# Altium PCB 4G.PcbDoc
Units mil, origin at the board's own origin, x right, y up, seen from the top; angles counter-clockwise.
Board outline 3582.68 x 1299.21 mil, 2 copper layers (Top Layer, Bottom Layer); 41 components, 27 nets, 169 pads, 175 vias.
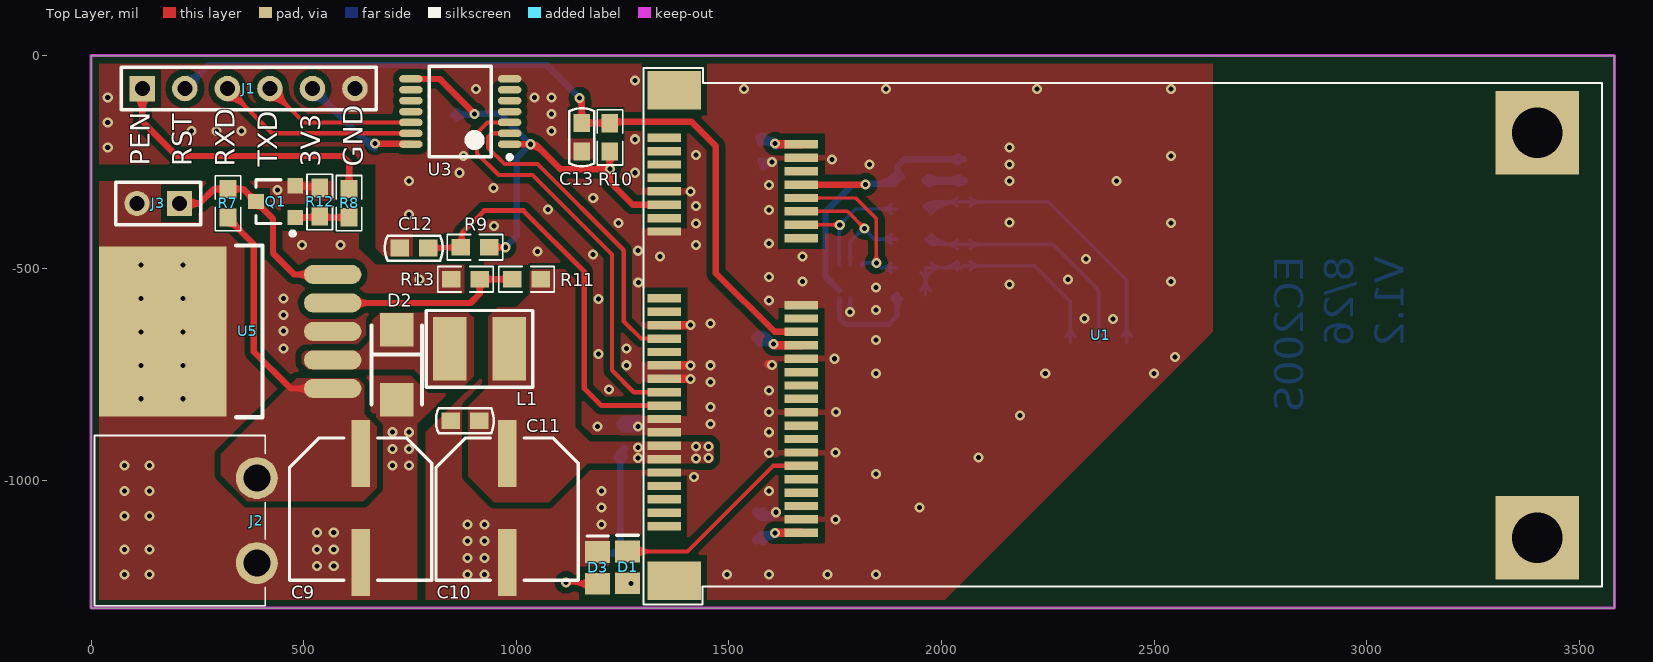
[diagram p0: Top Layer view]
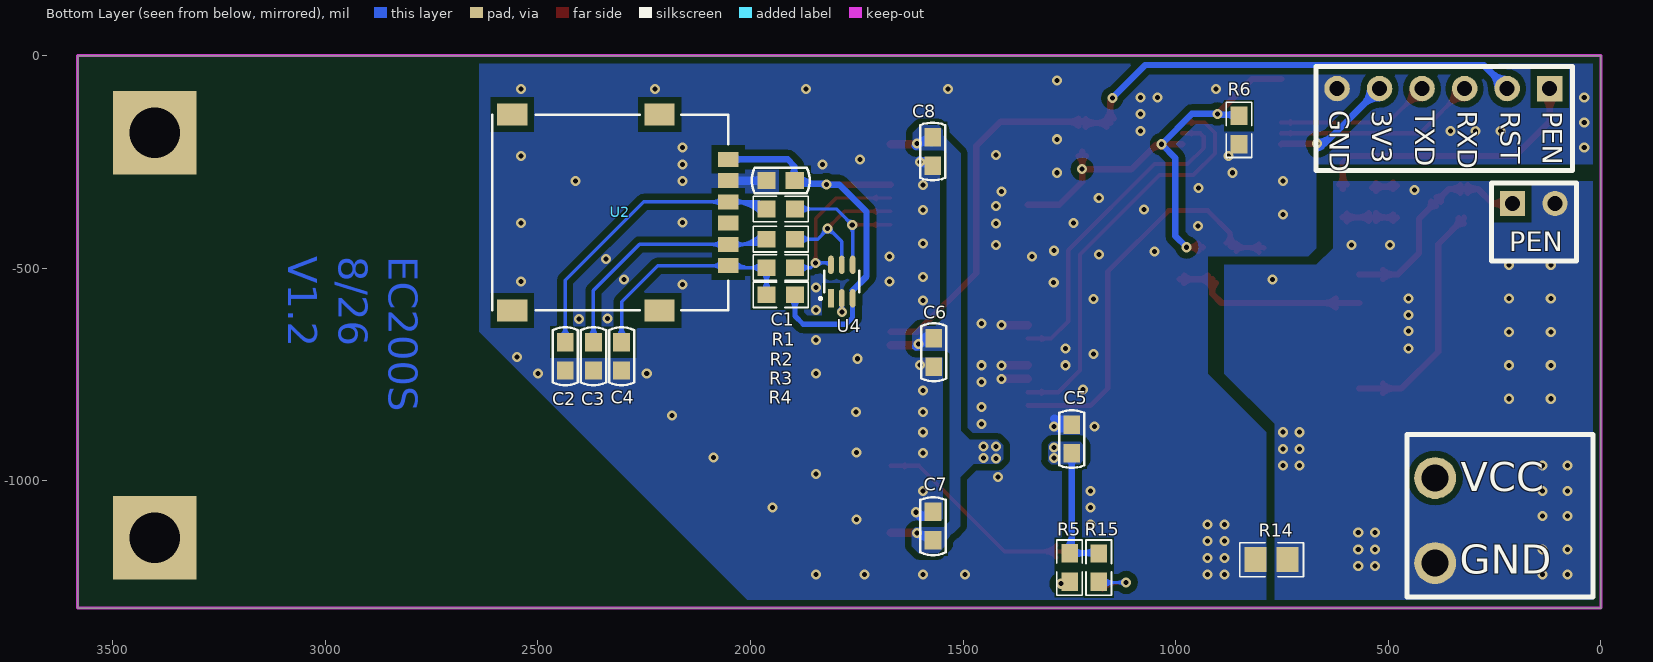
[diagram p1: Bottom Layer view, seen from below]
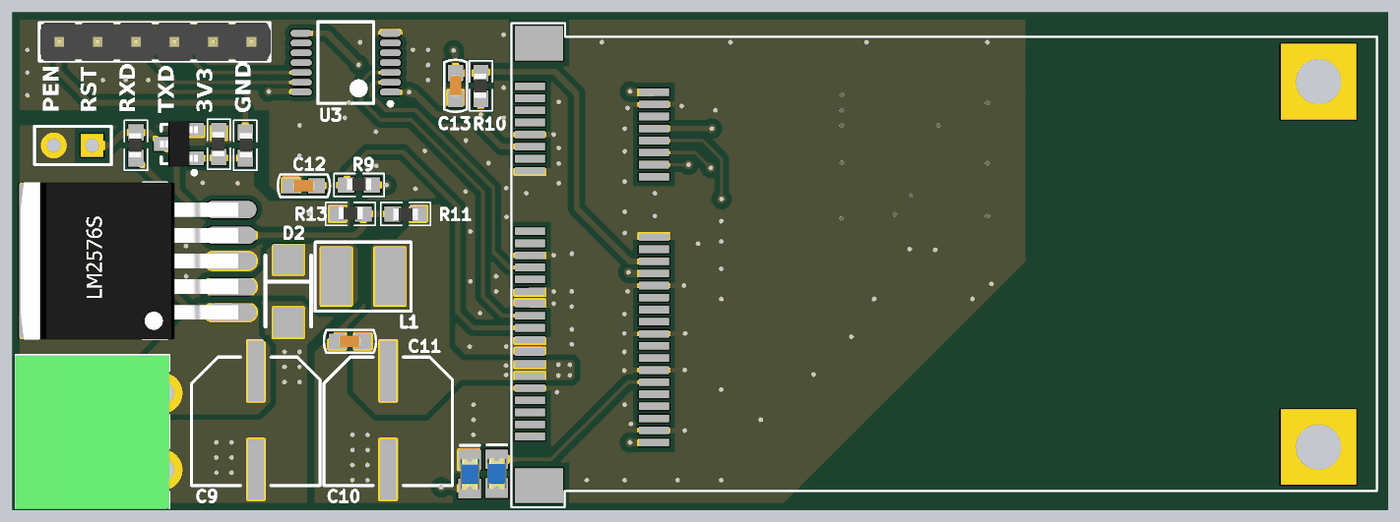
[diagram p2: 3D render of the assembled board from above, using the file's embedded part models]
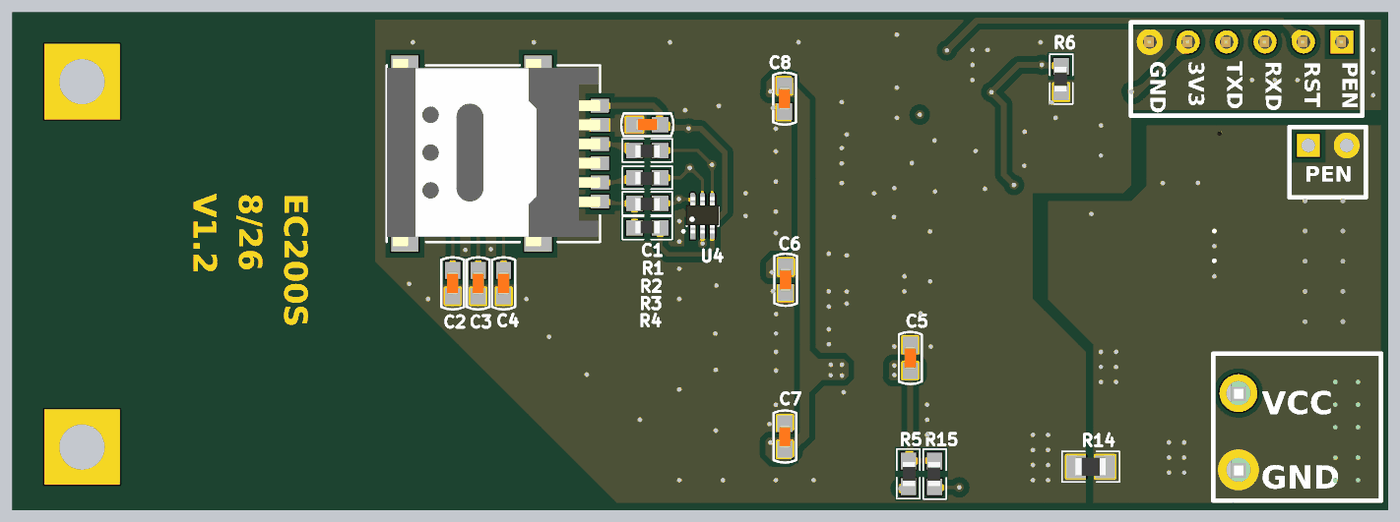
[diagram p3: 3D render of the assembled board from below, using the file's embedded part models]

## Layer stack, top to bottom
Top Solder: solder mask 0.4, Solder Resist, Dk 3.5
Top Layer: signal copper 1.4
Dielectric1: dielectric 12.6, FR-4, Dk 4.8
Bottom Layer: signal copper 1.4
Bottom Solder: solder mask 0.4, Solder Resist, Dk 3.5

## Board outline
0,-1299.21 0,0 3582.68,0 3582.68,-1299.21

## Design rules (kind name [scope] priority, off if disabled: settings)
Clearance 111111 [InNamedPolygon('AGND_TOP') Or  InNamedPolygon('DGND_BOTTOM') Or  InNamedPolygon('AGND_BOTTOM') Or  InNamedPolygon('DGND_TOP')] p1: gap=15 ignorepadtopadclearanceinfootprint=FALSE except(0: Arc-Hole Track-Hole SMDPad-Hole THPad-Hole Via-Hole Fill-Hole Poly-Hole Region-Hole Text-Hole)
Clearance [All] p2: gap=6 ignorepadtopadclearanceinfootprint=FALSE except(0: Arc-Hole Track-Hole SMDPad-Hole THPad-Hole Via-Hole Fill-Hole Poly-Hole Region-Hole Text-Hole)
FabricationTestpoint [(IsPad And (OnTopLayer Or OnBottomLayer))] p1: side=3 testpointundercomponent=TRUE minsize=40 maxsize=100 preferedsize=60 minholesize=0 maxholesize=40 preferedholesize=32 testpointgrid=1 allowsidetop=TRUE allowsidebottom=TRUE usegrid=TRUE gridtolerance=0.01
HoleSize [All] p1: absolutevalues=TRUE maxlimit=500 minlimit=1 maxpercent=80.000 minpercent=20.000
HoleToHoleClearance [All] p1: gap=6 allowstackedmicrovias=TRUE
MinimumSolderMaskSliver [All] p1: minsoldermaskwidth=1
PolygonConnect [All] p1: connectstyle=Direct reliefconductorwidth=10 reliefentries=4 polygonreliefangle="90 Angle" airgapwidth=10
RoutingVias [All] p1: holewidth=11.81 width=19.68 viastyle="Through Hole" minholewidth=11.81 minwidth=19.68 maxholewidth=118.11 maxwidth=196.85
SilkToSilkClearance [All] p1: silktosilkclearance=1
SilkToSolderMaskClearance [IsPad] p1: minsilkscreentomaskgap=1 clearancetoexposedcopper=TRUE
SolderMaskExpansion [All] p1: expansion=4
Width [All] p1: maxlimit=100 minlimit=6 preferedwidth=6
24 further rules are at their usual default settings.

## Components (designator, comment, footprint, x,y, rotation, side; value= is the part's Value field where it differs from the comment)
C1 "Cap" CAP-0603 1929.09,-293.66 r0 bottom value=0.1uF
C2 "Cap" CAP-0603 2435.79,-707.26 r90 bottom value=33pF
C3 "Cap" CAP-0603 2369.48,-707.25 r90 bottom value=33pF
C4 "Cap" CAP-0603 2303.23,-707.25 r270 bottom value=33pF
C5 "Cap" CAP-0603 1244.51,-901.84 r270 bottom value=0.1uF
C6 "Cap" CAP-0603 1568.86,-697.91 r90 bottom value=0.1uF
C7 "Cap" CAP-0603 1570.83,-1106.63 r270 bottom value=0.1uF
C8 "Cap" CAP-0603 1571.82,-225.61 r90 bottom value=0.1uF
C9 "Cap Pol" Cap8x10.5mm 634.24,-938.93 r90 top locked value=220uF/35V
C10 "Cap Pol" Cap8x10.5mm 978.74,-938.93 r90 top locked value=220uF/35V
C11 "Cap" CAP-0603 879.34,-858.77 r0 top value=0.1uF
C12 "Cap" CAP-0603 759.3,-452.78 r0 top value=0.1uF
C13 "Cap" CAP-0603 1154.25,-192.12 r270 top value=0.1uF
D1 "LED" LED_0805 1261.77,-1203.49 r90 top
D2 "SS34" SMA(DO-214AC) 718.51,-727.26 r270 top
D3 "LED" LED_0805 1191.44,-1204.71 r90 top
J1 "Header6" HEADER_6X1_2.54_排针 120.75,-77.61 r0 top
J2 "Header 2" HEADER_HT_2P_5.08_RIGHT 390.12,-1093.53 r90 top locked
J3 "Header 2" HEADER_2X1_2.54 208.12,-347.66 r180 top
L1 "Inductor" CD43 913.55,-689.64 r90 top value=470uH
Q1 "SS8050" SOT-23 434.13,-343.64 r90 top
R1 "Res" 0603 1929.01,-360.79 r0 bottom value=22Ω
R2 "Res" 0603 1929.01,-431.79 r0 bottom value=22Ω
R3 "Res" 0603 1929.01,-498.79 r0 bottom value=22Ω
R4 "Res" 0603 1929.01,-562.67 r180 bottom value=10KΩ
R5 "Res" 0603 1249.55,-1204.1 r270 bottom value=2KΩ
R6 "Res" 0603 851.45,-174.66 r90 bottom value=100KΩ
R7 "Res" 0603 322.13,-347.31 r90 top value=10KΩ
R8 "Res" 0603 606.87,-347.21 r270 top value=5KΩ
R9 "Res" 0603 903.05,-450.78 r0 top value=10KΩ
R10 "Res" 0603 1220.23,-192.24 r90 top value=10KΩ
R11 "Res" 0603 1024.25,-526.15 r180 top value=2KΩ
R12 "Res" 0603 537.86,-344.35 r90 top value=50KΩ
R13 "Res" 0603 880.81,-526.15 r0 top value=1KΩ
R14 "Res" 0805 774.81,-1185.52 r0 bottom value=0Ω
R15 "Res" 0603 1180.98,-1204.46 r90 bottom value=2KΩ
U1 "EC200T-PCIe" miniPCIe1 1347.88,-193.23 r180 top locked
U2 "nano_sim" NANO_SIM_6P 2213.8,-138.7 r270 bottom
U3 "TXB0104PWR" TSSOP-14 868.45,-131.78 r180 top
U4 "SMF05C" SOT-363 1785.43,-531.5 r90 bottom
U5 "LM2596" "TO-263-5 无背面散热" 365.37,-663.85 r270 top locked

## Footprints (in the part's own frame and the unit in brackets; to place one, negate y for a bottom-side part, rotate by r counter-clockwise, add the part's x,y. Pads: shape width x height; smd on the part's side, far side on the other; paste and mask are expansions set on the pad)
0603 [mm] "贴片带丝印"
  rect 1.1x1 smd: 1(-0.85,0) 2(0.85,0)
  silkscreen extent -1.65,-0.76 1.65,0.76, body extent -0.8,-0.38 0.8,0.47, height 0.6
0805 [mm] "贴片带丝印"
  rect 1.3x1.5 smd: 1(-0.95,0) 2(0.95,0)
  silkscreen extent -1.91,-1.02 1.91,1.02, body extent -1,-0.6 1,0.6, height 0.85
Cap8x10.5mm [mm] "for 470uf"
  rect 4x1.1 smd: 1(0.089,0) 2(-6.439,0)
  silkscreen extent -7.5,-4.25 1,4.25, body extent -7.5,-4 0.5,4, height 10
CAP-0603 [mm] "贴片电容"
  rect 1.1x1 smd: 1(-0.85,0) 2(0.85,0)
  silkscreen extent -1.73,-0.75 1.73,0.75, body extent -0.76,-0.38 0.76,0.38, height 0.78
CD43 [mm]
  rect 3.8x2 smd: 1(0,1.778) 2(0,-1.778)
  silkscreen extent -2.29,-3.18 2.29,3.17, body extent -2,-2.54 2,2.54, height 3.7
HEADER_2X1_2.54 [mm] "2.54间距排针"
  rect 1.5x1.5 hole 0.9: 1(0,0)
  round 1.5 hole 0.9: 2(2.54,0)
  silkscreen extent -1.27,-1.27 3.81,1.27
HEADER_6X1_2.54_排针 [mil] "6X1排针，间距2.54"
  rect 60x60 hole 35.43: 1(0,0)
  round 60 hole 35.43: 2(100,0) 3(200,0) 4(300,0) 5(400,0) 6(500,0)
  silkscreen extent -50,-50 550,50, body extent -48,-50 552,50, height 337
HEADER_HT_2P_5.08_RIGHT [mm] "弯脚HT_2P接线端子,间距5.08"
  round 2.5 hole 1.6: 1(-2.54,0) 2(2.54,0)
  silkscreen extent -5.08,-0.5 5.08,9.7, body extent -5.13,-0.48 5.03,9.72, height 8.7
LED_0805 [mm] "贴片二极管"
  rect 1.3x1.5 smd: 1(-0.95,0) 2(0.95,0)
  silkscreen extent 1.91,-0.63 1.91,0.64, body extent -1.01,-0.62 1.01,0.62, height 1.1
miniPCIe1 [mm] "EC200T"
  rect 5x5 hole 3: 0(-52.15,-0.3) 0(-52.15,23.9)
  rect 3.2x2.3 smd: 0(-0.6,26.45) 0(-0.6,-2.85)
  rect 2x0.5 smd: 1(0,0) 2(-8.2,0.4) 3(0,0.8) 4(-8.2,1.2) 5(0,1.6) 6(-8.2,2) 7(0,2.4) 8(-8.2,2.8) 9(0,3.2) 10(-8.2,3.6) 11(0,4) 12(-8.2,4.4) 13(0,4.8) 14(-8.2,5.2) 15(0,5.6) 16(-8.2,6) 17(0,9.6) 18(-8.2,10) 19(0,10.4) 20(-8.2,10.8) 21(0,11.2) 22(-8.2,11.6) 23(0,12) 24(-8.2,12.4) 25(0,12.8) 26(-8.2,13.2) 27(0,13.6) 28(-8.2,14) 29(0,14.4) 30(-8.2,14.8) 31(0,15.2) 32(-8.2,15.6) 33(0,16) 34(-8.2,16.4) 35(0,16.8) 36(-8.2,17.2) 37(0,17.6) 38(-8.2,18) 39(0,18.4) 40(-8.2,18.8) 41(0,19.2) 42(-8.2,19.6) 43(0,20) 44(-8.2,20.4) 45(0,20.8) 46(-8.2,21.2) 47(0,21.6) 48(-8.2,22) 49(0,22.4) 50(-8.2,22.8) 51(0,23.2) 52(-8.2,23.6)
  silkscreen extent -56.02,-4.17 1.22,27.87
NANO_SIM_6P [mm]
  rect 1.3x1.8 smd: 0(0,-8.8) 0(0,0) 0(11.7,-8.8) 0(11.7,0)
  rect 0.9x1.2 smd: 1(2.68,4.1) 2(5.22,4.1) 3(7.76,4.1) 4(3.95,4.1) 5(6.49,4.1) 6(9.03,4.1)
  silkscreen extent 0,-10 11.7,4.1, body extent -0.42,-10 11.98,4.1, height 1.55
SMA(DO-214AC) [mm] "SS系列肖特基二极管"
  rect 2x2 smd: 1(2.1,0) 2(-2.1,0)
  silkscreen extent -2.35,-1.5 2.35,1.52
SOT-23 [mm]
  rect 0.9x0.95 smd: 1(-0.95,-1.175) 2(0.95,-1.175) 3(0,1.175)
  silkscreen extent -2.03,-1.14 1.3,1.18, body extent -1.5,-1.25 1.5,1.25, height 1.15
SOT-363 [mm] "SOT-363封装"
  rect 1.1x0.35 smd: 1(-1,0.65)
  oval 1.1x0.35 smd: 2(-1,0) 3(-1,-0.65) 4(1,-0.65) 5(1,0) 6(1,0.65)
  silkscreen extent -1.09,-1.05 0.65,1.35, body extent -1.15,-1.1 1.25,1.1, height 1.1
"TO-263-5 无背面散热" [mil]
  rect 400x300 smd: 0(-15,-197)
  oval 45x135 smd: 1(119,203) 2(52,203) 3(-15,203) 4(-82,203) 5(-149,203)
  silkscreen extent -217,-24 187,38, body extent -220,-343 190,223, height 203
TSSOP-14 [mm]
  oval 1.4x0.45 smd: 1(-2.95,1.95) 2(-2.95,1.3) 3(-2.95,0.65) 4(-2.95,0) 5(-2.95,-0.65) 6(-2.95,-1.3) 7(-2.95,-1.95) 8(2.95,-1.95) 9(2.95,-1.3) 10(2.95,-0.65) 11(2.95,0) 12(2.95,0.65) 13(2.95,1.3) 14(2.95,1.95)
  silkscreen extent -3.08,-2.7 1.85,2.85, body extent -2.25,-2.7 2.25,2.7, height 0.2

## Part data
C1 C2 C3 C4 C5 C6 C7 C8 C11 C12 C13: "无极性电容", LatestRevisionDate=17-Jul-2002, LatestRevisionNote="Re-released for DXP Platform.", PackageReference=RAD-0.3, Published=8-Jun-2000, Publisher="Altium Limited"
C9 C10: "贴片电解电容 8*10.5mm", LatestRevisionDate=17-Jul-2002, LatestRevisionNote="Re-released for DXP Platform.", PackageReference=POLAR0.8, Published=8-Jun-2000, Publisher="Altium Limited"
D1 D3: "发光二极管", LatestRevisionDate=08-Jul-2005, LatestRevisionNote="Mech Layer 1 removed.", PackageReference=LED-0, Published=8-Jun-2000, Publisher="Altium Limited"
D2: library part "D Schottky", "Schottky Diode", Code_JEDEC=DO-214-AA, LatestRevisionDate=17-Jul-2002, LatestRevisionNote="Re-released for DXP Platform.", PackageReference=SMB, Published=8-Jun-2000, Publisher="Altium Limited"
J1 J2 J3: "接插件"
  J2 J3: LatestRevisionDate=17-Jul-2002, LatestRevisionNote="Re-released for DXP Platform.", Publisher="Altium Limited"
L1: "贴片功率电感", Code_IEC=1005, Code_JEITA=0402, LatestRevisionDate=17-Jul-2002, LatestRevisionNote="Re-released for DXP Platform.", PackageReference=0402-A, Published=8-Jun-2000, Publisher="Altium Limited"
Q1: "NPN贴片三极管", PackageDocument=Sep-1998, Code_JEDEC=TO-92A, ComponentLink1Description="Manufacturer Link", ComponentLink1URL=http://www.fairchildsemi.com/, ComponentLink2Description=Datasheet, ComponentLink2URL=http://www.fairchildsemi.com/ds/2N%2F2N3904.pdf, DatasheetDocument=1997, LatestRevisionDate=15-Jan-2003, LatestRevisionNote="PCB Footprint 'BCY-W3/D4.7' replaced", PackageReference=TO-92A, Published=8-Jun-2000, Publisher="Altium Limited"
R1 R2 R3 R4 R5 R6 R7 R8 R9 R10 R11 R12 R13 R14 R15: "贴片电阻", LatestRevisionDate=17-Jul-2002, LatestRevisionNote="Re-released for DXP Platform.", PackageReference=AXIAL-0.4, Published=8-Jun-2000, Publisher="Altium Limited"
U3: "电平转换芯片"
U5: "DC/DC"

## Via types
v1: diameter 23.62, hole 11.81, Top Layer to Bottom Layer, tented both sides, 175 vias

## Nets (pads, with @x,y where several pads share a name; then routed paths per layer and width w, separated by ;. In a path a pad name is that pad's centre, name@x,y a point inside that pad or via, vN(x,y) a via of type N, cw(c..) or ccw(c..) an arc to the next point about the centre after c; other vN are vias at no path point)
3V3: J1.5 U3.14 | length 566
  Top Layer w15: v1(668,-207.23) 750.98,-207.23 U3.14
  Bottom Layer w15: J1.5 650.37,-207.23 v1(668,-207.23) ; 559.16,-116.02 cw(c597.57,-77.61) 543.25,-77.61 ccw(c597.57,-77.61) 559.16,-116.02 ; 559.16,-116.02 ccw(c520.75,-154.43) 520.75,-100.11 cw(c520.75,-154.43) 559.16,-116.02 ; 630.54,-187.4 ccw(c668,-149.94) 668,-202.92 cw(c668,-149.94) 630.54,-187.4 ; 656.15,-213.01 ccw(c668,-201.15) 668,-217.92 cw(c668,-201.15) 656.15,-213.01
3V8: C5.2 C6.2 C7.2 C8.2 C10.1 C11.2 L1.2 R5.1 R11.1 R15.2 U1.2 U1.24 U1.39 U1.41 U1.52 | length 1520.7
  Top Layer w20: v1@1604.69,-681.41 U1.24 ; v1(1608.69,-1122.36) U1.52 ; v1@1608.69,-208.97 U1.2 ; v1@1605.97,-677.13 ccw(c1616.31,-666.8) 1616.31,-681.41 cw(c1616.31,-666.8) v1@1605.97,-677.13
  Bottom Layer w15: R15.2@1180.98,-1169.81 1238.73,-1169.81 1239.55,-1170.63 R5.1 ; R5.1@1244.51,-1165.59 1244.51,-942.91 C5.2 ; C6.2@1561.6,-661.12 C6.2@1561.97,-661.49 ; 1244.51,-966.69 cw(c1273.92,-966.69) 1253.12,-945.89 ccw(c1273.92,-966.69) 1244.51,-966.69 ; 1244.51,-966.69 ccw(c1215.09,-966.69) 1235.89,-945.89 cw(c1215.09,-966.69) 1244.51,-966.69 ; R15.2@1189.59,-1177.64 cw(c1208.49,-1196.54) 1208.49,-1169.81 ccw(c1208.49,-1196.54) R15.2@1189.59,-1177.64 ; R15.2@1189.59,-1160.41 ccw(c1212.3,-1137.71) 1212.3,-1169.81 cw(c1212.3,-1137.71) R15.2@1189.59,-1160.41 ; 1218.16,-1169.81 cw(c1218.16,-1202.03) 1240.94,-1179.25 ccw(c1218.16,-1202.03) 1218.16,-1169.81 ; 1222.12,-1169.81 ccw(c1222.12,-1143.19) 1240.94,-1162.02 cw(c1222.12,-1143.19) 1222.12,-1169.81 ; 1244.51,-1127.06 ccw(c1291.16,-1127.06) 1258.17,-1160.05 cw(c1291.16,-1127.06) 1244.51,-1127.06
  Bottom Layer w20: C5.2@1252.12,-942.91 C5.2 1244.51,-934.88 C5.2@1254.19,-925.2 ; C6.2@1561.97,-661.49 1561.97,-662.56 1571.66,-672.24 v1@1598.54,-672.24 ; C7.2@1564.93,-1140.1 1564.93,-1138.13 1574.61,-1128.44 v1@1601.63,-1128.44 ; C8.2 1581.44,-201.77 v1@1600.51,-201.77 ; v1(1608.69,-1122.36) 1607.71,-1122.36 v1@1601.63,-1128.44 ; v1@1608.69,-681.41 1607.71,-681.41 v1@1598.54,-672.24 ; v1@1608.69,-208.97 1607.71,-208.97 v1@1600.51,-201.77 ; v1@1598.54,-672.24 cw(c1598.54,-645.78) 1576.82,-660.89 ccw(c1598.54,-645.78) v1@1598.54,-672.24 ; v1@1600.51,-201.77 cw(c1600.51,-179.05) 1580.39,-189.61 ccw(c1600.51,-179.05) v1@1600.51,-201.77 ; v1@1601.63,-1128.44 ccw(c1601.63,-1152.92) 1579.56,-1142.32 cw(c1601.63,-1152.92) v1@1601.63,-1128.44 ; C6.2@1567.68,-656.17 cw(c1570.85,-683.6) 1590.37,-664.07 ccw(c1570.85,-683.6) C6.2@1567.68,-656.17 ; C6.2@1572.12,-675.54 cw(c1584.47,-710.17) 1610.47,-684.17 ccw(c1584.47,-710.17) C6.2@1572.12,-675.54 ; C8.2@1574.71,-203.36 cw(c1585.49,-237.83) 1611.03,-212.29 ccw(c1585.49,-237.83) C8.2@1574.71,-203.36 ; C6.2@1585.43,-672.24 cw(c1585.43,-697.68) 1603.41,-679.69 ccw(c1585.43,-697.68) C6.2@1585.43,-672.24 ; C7.2@1589.63,-1128.44 ccw(c1589.63,-1103.3) 1607.41,-1121.08 cw(c1589.63,-1103.3) C7.2@1589.63,-1128.44 ; 1591.76,-201.77 cw(c1591.76,-223.9) 1607.41,-208.25 ccw(c1591.76,-223.9) 1591.76,-201.77
  other v1: 1422.24,-947.83 1285.86,-946.13 1451.77,-946.85 1285.86,-921.64 1422.24,-919.29 1451.77,-919.29 1604.69,-678.41 1608.69,-206.97
AGND: C9.2 D2.1 J2.1 J3.2 Q1.2 R12.2 R13.1 R14.1 U5.0 U5.3 | length 229.3
  Top Layer w15: Q1.2 482.72,-308.56 535.53,-308.56 R12.2 ; Q1.2@488.6,-313.46 cw(c500.43,-325.28) 500.43,-308.56 ccw(c500.43,-325.28) Q1.2@488.6,-313.46 ; Q1.2@488.6,-299.01 ccw(c511.66,-275.95) 511.66,-308.56 cw(c511.66,-275.95) Q1.2@488.6,-299.01 ; 507.58,-308.56 cw(c507.58,-339.2) 529.24,-317.54 ccw(c507.58,-339.2) 507.58,-308.56 ; 509.31,-308.56 ccw(c509.31,-280.37) 529.24,-300.31 cw(c509.31,-280.37) 509.31,-308.56
  other v1: 78.74,-1220.47 137.8,-1220.47 531.5,-1200.79 570.87,-1200.79 78.74,-1161.42 137.8,-1161.42 531.5,-1161.42 570.87,-1161.42 531.5,-1122.05 570.87,-1122.05 78.74,-1082.68 137.8,-1082.68 78.74,-1023.62 137.8,-1023.62 78.74,-964.57 137.8,-964.57 708.66,-964.57 748.03,-964.57 708.66,-925.2 748.03,-925.2 708.66,-885.83 748.03,-885.83 118.11,-807.09 216.54,-807.09 118.11,-728.35 216.54,-728.35 452.76,-688.98 118.11,-649.61 216.54,-649.61 453,-648.23 452.76,-610.24 118.11,-570.87 216.54,-570.87 452.76,-570.87 773,-526.23 118.11,-492.13 216.54,-492.13 587,-446 495.81,-445.07 439,-316.23
EC200_RXD: U1.23 U3.2 | length 843.4
  Top Layer w10: U3.2 942.26,-182.97 934,-191.23 934,-217 972.23,-255.23 1050.23,-255.23 1253,-458 1253,-625.16 1293.51,-665.67 U1.23 ; 956.57,-182.97 cw(c956.57,-192.28) 963.16,-185.69 ccw(c956.57,-192.28) 956.57,-182.97 ; 956.57,-182.97 ccw(c956.57,-173.65) 963.16,-180.24 cw(c956.57,-173.65) 956.57,-182.97 ; 1306.66,-665.67 cw(c1306.66,-677.36) 1314.92,-669.09 ccw(c1306.66,-677.36) 1306.66,-665.67 ; 1306.66,-665.67 ccw(c1306.66,-653.97) 1314.92,-662.24 cw(c1306.66,-653.97) 1306.66,-665.67
EC200_TXD: U1.31 U3.3 | length 1032.8
  Top Layer w10: U3.3 932.62,-157.38 908,-182 908,-230 959,-281 1038,-281 1225,-468 1225,-740.23 1276.42,-791.65 U1.31 ; 956.57,-157.38 cw(c956.57,-166.69) 963.16,-160.1 ccw(c956.57,-166.69) 956.57,-157.38 ; 956.57,-157.38 ccw(c956.57,-148.06) 963.16,-154.65 cw(c956.57,-148.06) 956.57,-157.38 ; 1306.66,-791.65 cw(c1306.66,-803.34) 1314.92,-795.08 ccw(c1306.66,-803.34) 1306.66,-791.65 ; 1306.66,-791.65 ccw(c1306.66,-779.96) 1314.92,-788.23 cw(c1306.66,-779.96) 1306.66,-791.65
EXT: R6.2 R9.2 R10.1 U1.11 U3.1 U3.8 | length 1611.4
  Top Layer w15: U3.8 819.79,-55.01 v1(902,-137.23) ; R9.2 v1(974.41,-450.78) ; U3.1 v1(1033.33,-208.56) 1034.98,-210.21 1047.21,-210.21 ; R10.1 1220,-225.93 v1(1220,-267.23) ; U1.11 1273.93,-350.71 1220,-296.77 v1(1220,-267.23) ; v1@967.9,-450.78 cw(c967.9,-421.36) 947.1,-442.17 ccw(c967.9,-421.36) v1@967.9,-450.78 ; v1@967.9,-450.78 ccw(c967.9,-480.2) 947.1,-459.4 cw(c967.9,-480.2) v1@967.9,-450.78 ; 1047.21,-210.21 cw(c1047.21,-195.38) 1036.45,-205.59 ccw(c1047.21,-195.38) 1047.21,-210.21 ; 1047.21,-210.21 1104.23,-267.23 v1(1220,-267.23) ; v1@1033.33,-212.87 cw(c1033.33,-252.8) 1061.56,-224.56 ccw(c1033.33,-252.8) v1@1033.33,-212.87 ; v1@1034.93,-212.56 cw(c1041.28,-228.36) 1053.32,-216.32 ccw(c1041.28,-228.36) v1@1034.93,-212.56 ; R10.1@1211.61,-236.29 cw(c1191.37,-256.53) 1220,-256.53 ccw(c1191.37,-256.53) R10.1@1211.61,-236.29 ; v1@1220,-257.64 cw(c1250.2,-257.64) 1228.85,-236.29 ccw(c1250.2,-257.64) v1@1220,-257.64
  Bottom Layer w15: R6.2 853.76,-138.88 900.35,-138.88 v1(902,-137.23) 962,-137.23 v1(1033.33,-208.56) 1000.98,-240.9 1000.98,-424.21 v1(974.41,-450.78) ; R6.2@860.06,-147.84 cw(c881.7,-169.48) 881.7,-138.88 ccw(c881.7,-169.48) R6.2@860.06,-147.84 ; R6.2@860.06,-130.61 ccw(c880.03,-110.65) 880.03,-138.88 cw(c880.03,-110.65) R6.2@860.06,-130.61 ; 887.61,-138.88 ccw(c887.61,-122.84) 898.95,-134.18 cw(c887.61,-122.84) 887.61,-138.88
GND_4G: C1.2 C2.1 C3.1 C4.2 C5.1 C6.1 C7.1 C8.1 C10.2 C11.1 C12.1 C13.2 D3.2 J1.6 R6.1 R14.2 U1.4 U1.9 U1.15 U1.18 U1.21 U1.26 U1.27 U1.29 U1.34 U1.35 U1.37 U1.40 U1.43 U1.50 U2.4 U3.7 U4.2 | length 1135.5
  Top Layer w20: U1.29 v1(1409.89,-760.16) ; U1.27 v1(1409.89,-728.66) ; U1.21 v1(1409.89,-634.17) ; v1(1418,-991) v1@1419.56,-991 ; v1@1592.19,-726 v1@1592.49,-726
  Bottom Layer w10: v1(1785.43,-603.35) U4.2 ; U4.2@1785.43,-586.9 cw(c1768.99,-586.9) 1780.61,-598.53 ccw(c1768.99,-586.9) U4.2@1785.43,-586.9 ; U4.2@1785.43,-586.9 ccw(c1801.87,-586.9) 1790.25,-598.53 cw(c1801.87,-586.9) U4.2@1785.43,-586.9
  Bottom Layer w20: 1285.86,-854.64 1284.88,-854.64 1282.8,-856.72 ; C7.1@1564.93,-1073.17 1564.93,-1075.14 1574.61,-1084.82 1600.52,-1084.82 ; v1@1591.54,-249.02 v1@1599.17,-249.02 ; v1(1602,-250) v1@1602,-246.18 ; v1(1611,-1074) 1600.52,-1084.48 1600.52,-1084.82 ; C1.2 1962.83,-293.94 2052.11,-293.94 U2.4 ; C5.1@1254.19,-856.72 cw(c1254.19,-893.05) 1284.49,-873 ccw(c1254.19,-893.05) C5.1@1254.19,-856.72 ; C5.1@1254.19,-856.72 1244.51,-866.41 C5.1 1252.12,-875.98 1274.72,-875.98 ; C5.1@1254.19,-856.72 1282.8,-856.72 ; 1274.72,-875.98 cw(c1274.72,-848.22) 1252.32,-864.62 ccw(c1274.72,-848.22) 1274.72,-875.98 ; 1282.8,-856.72 ccw(c1282.8,-894.57) 1252.31,-872.14 cw(c1282.8,-894.57) 1282.8,-856.72 ; v1@1599.17,-249.02 ccw(c1599.17,-269.26) 1580.67,-261.04 cw(c1599.17,-269.26) v1@1599.17,-249.02 ; v1@1599.17,-249.02 cw(c1588.25,-238.1) 1578.15,-249.78 ccw(c1588.25,-238.1) v1@1599.17,-249.02 ; v1@1599.17,-249.02 v1@1602,-246.18 ; 1600.52,-1084.82 cw(c1600.52,-1062.08) 1579.7,-1071.24 ccw(c1600.52,-1062.08) 1600.52,-1084.82 ; v1@1602,-246.18 cw(c1587.79,-231.97) 1577.01,-248.93 ccw(c1587.79,-231.97) v1@1602,-246.18 ; 1272.01,-875.98 ccw(c1272.01,-858.01) 1284.72,-870.72 cw(c1272.01,-858.01) 1272.01,-875.98 ; C7.1@1580.5,-1084.82 ccw(c1580.5,-1043.5) 1609.72,-1072.72 cw(c1580.5,-1043.5) C7.1@1580.5,-1084.82 ; C1.2@1971.37,-300.51 cw(c1987.24,-316.38) 1987.24,-293.94 ccw(c1987.24,-316.38) C1.2@1971.37,-300.51 ; C1.2@1971.37,-286.81 ccw(c1988.57,-269.62) 1988.57,-293.94 cw(c1988.57,-269.62) C1.2@1971.37,-286.81 ; 2027.19,-293.94 cw(c2027.19,-313.51) 2041.02,-299.67 ccw(c2027.19,-313.51) 2027.19,-293.94 ; 2028.52,-293.94 ccw(c2028.52,-276.25) 2041.02,-288.76 cw(c2028.52,-276.25) 2028.52,-293.94